# KiCad board output.Panel_R0.5.1_300x300_2layer_step1_Modified.kicad_pcb (continued)
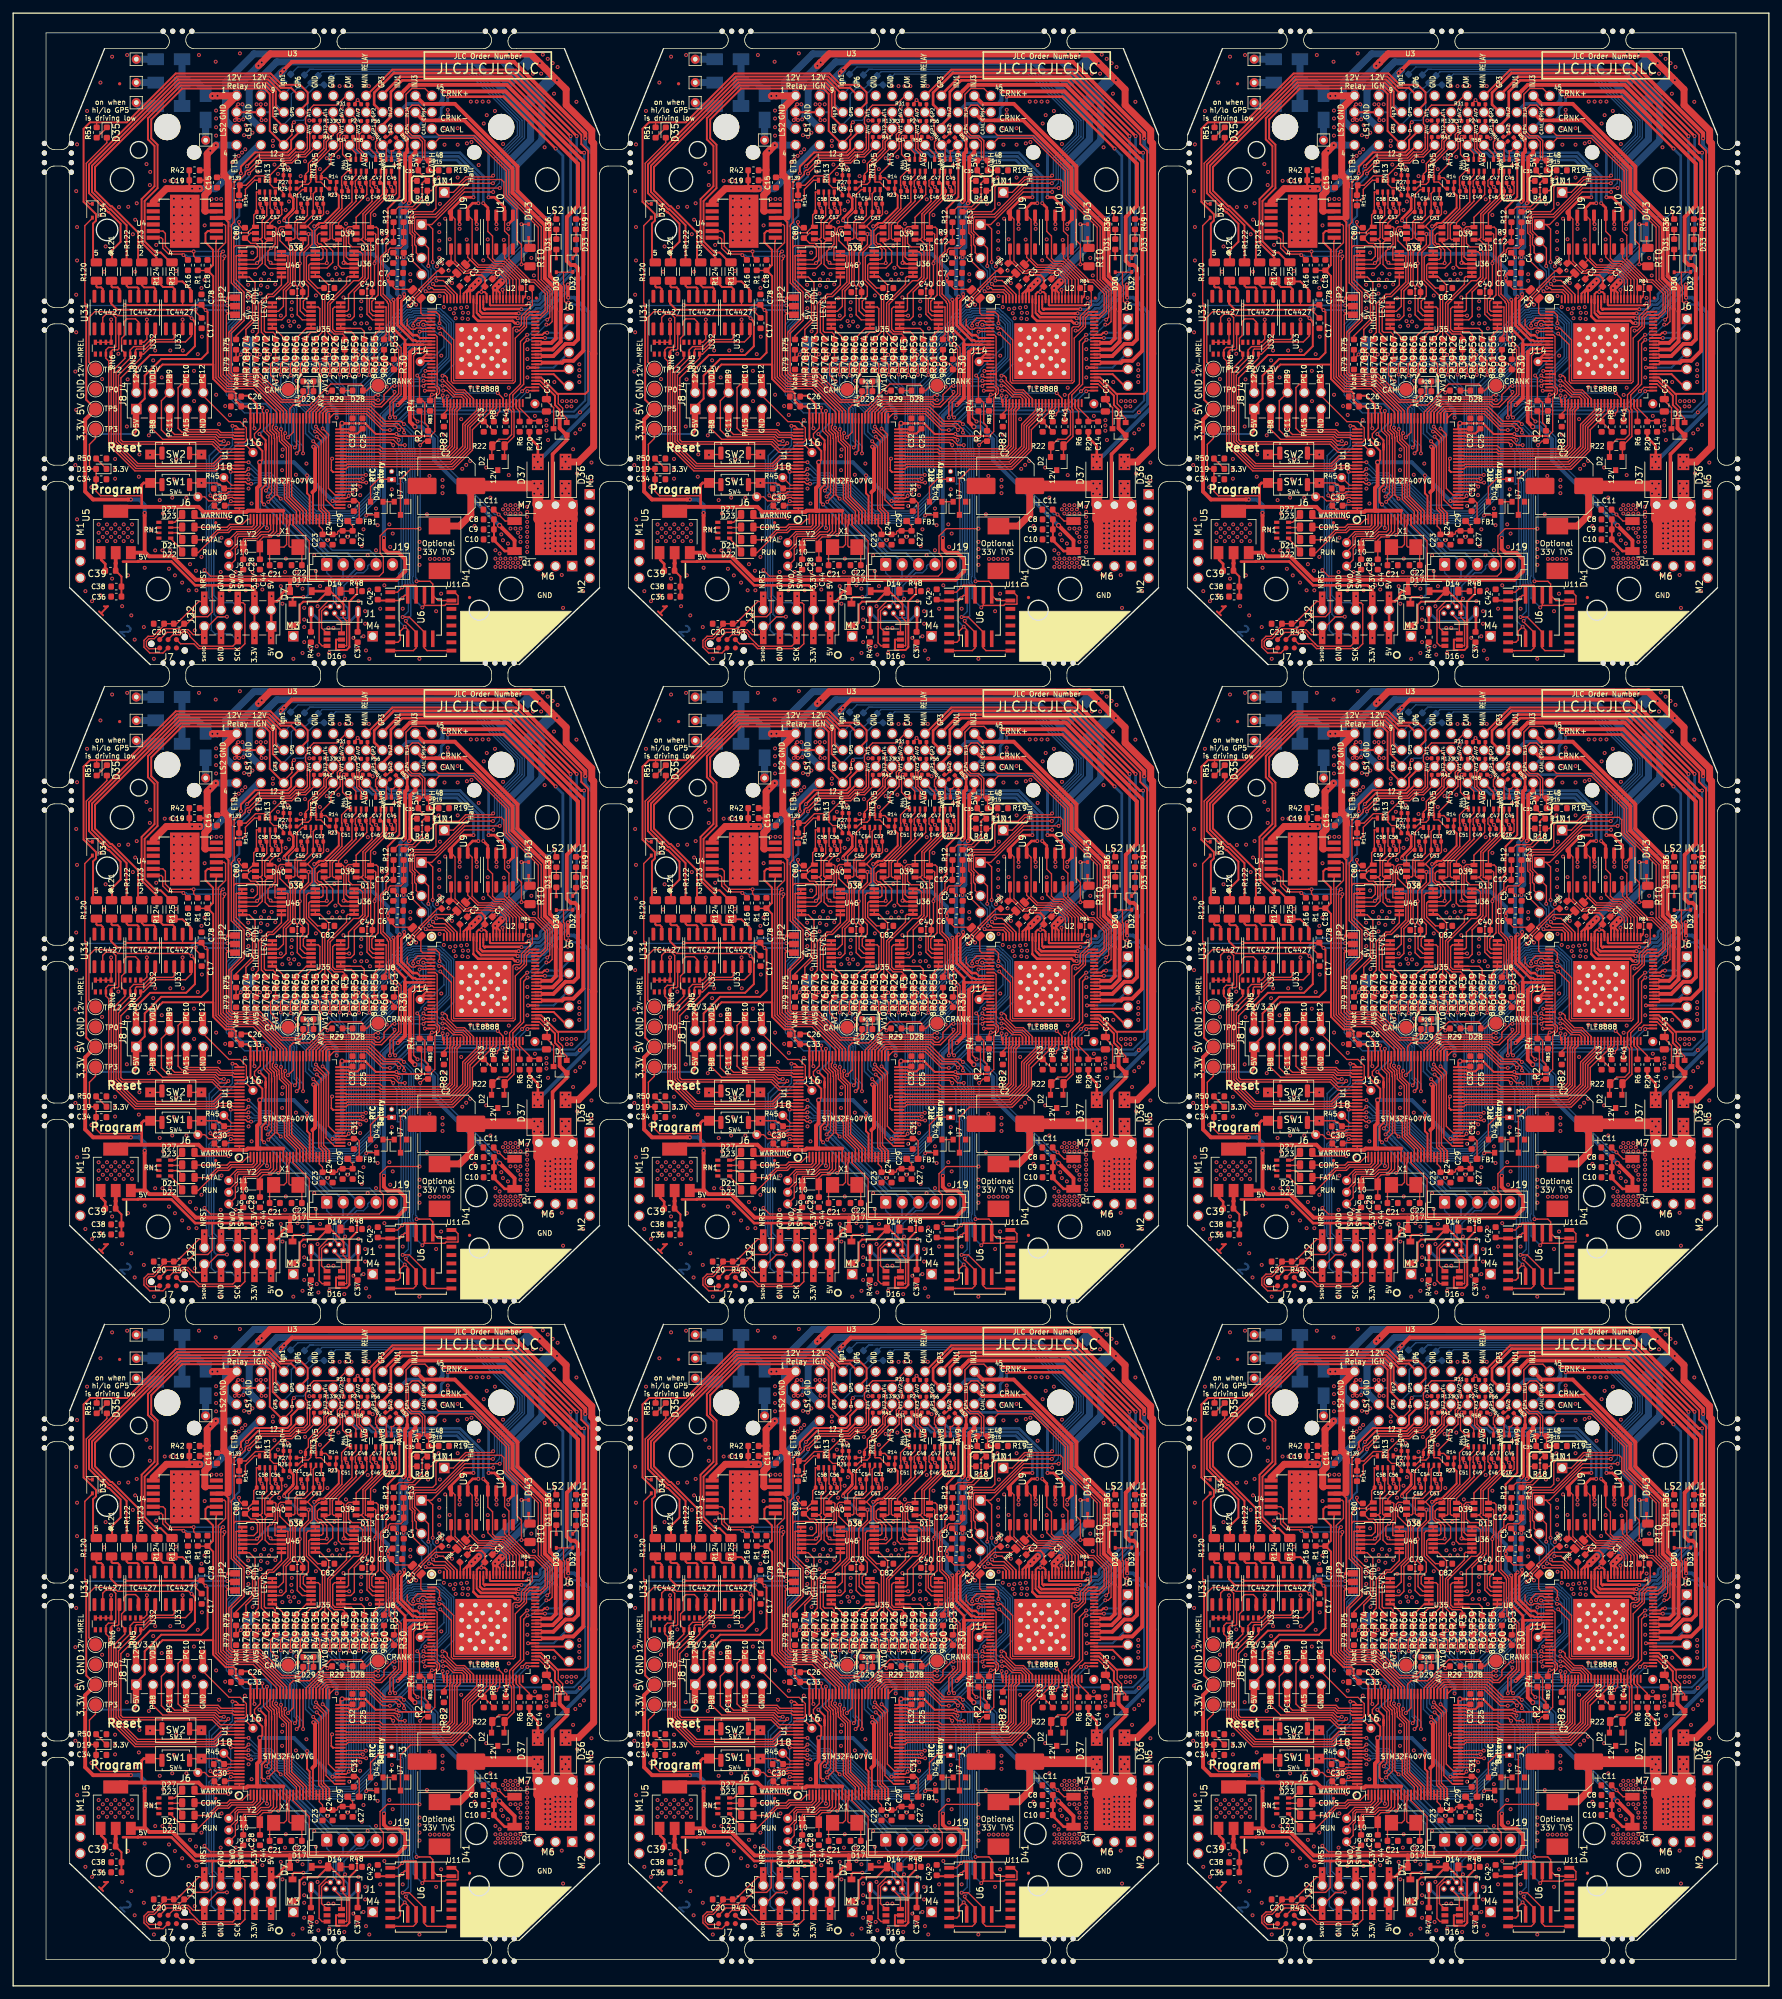
[diagram p0: board, top side]
## Routing (per net, layer and track width the routed paths; a pad name or vN(x,y) marks a point on that pad's centre or on a via; arc(x,y) is an arc through that point) (continued)
/TLE8888-1QK/VR-: length 510.2
  Top w0.203: R13#2.2 144.37,266.71 ; 143,250.12 144,249.12 144,244.58 ; 144.37,266.7 144.37,265.2 ; R13#3.2 229.37,266.71 ; 229,244.58 229,249.12 228,250.12 ; 229.37,266.7 229.37,265.2 ; R13#6.2 59.37,169.71 ; 58,153.12 59,152.12 59,147.58 ; 59.37,169.7 59.37,168.2 ; R13#4.2 144.37,169.71 ; 144,147.58 144,152.12 143,153.12 ; 144.37,169.7 144.37,168.2 ; R13#5.2 229.37,169.71 ; 229,147.58 229,152.12 228,153.12 ; 229.37,169.7 229.37,168.2 ; 229,50.58 229,55.12 228,56.12 ; R13#7.2 229.37,72.71 ; 229.37,72.7 229.37,71.2 ; R13#8.2 59.37,72.71 ; 58,56.12 59,55.12 59,50.58 ; 59.37,72.7 59.37,71.2 ; 144,50.58 144,55.12 143,56.12 ; R13#9.2 144.37,72.71 ; 144.37,72.7 144.37,71.2 ; 59,244.58 59,249.12 58,250.12 ; 59.37,266.7 59.37,265.2 ; R13.2 59.37,266.71
  Top w0.216: v1(163.2,242.5) 163.3,242.6 U2#2.51 ; C12#2.2 144.4,264.73 143.95,264.27 142.35,264.27 142.06,263.99 142.06,263.62 141.27,262.83 141.27,257.29 142.27,256.29 142.27,256.14 142.45,255.96 142.45,251.76 143,251.21 143,250.12 ; 144,244.58 144,242 142.8,240.8 142.8,238.8 v1(143.1,238.5) ; 229,244.58 229,242 227.8,240.8 227.8,238.8 v1(228.1,238.5) ; U2#3.51 248.3,242.6 v1(248.2,242.5) ; C12#3.2 229.4,264.73 228.95,264.27 227.35,264.27 227.06,263.99 227.06,263.62 226.27,262.83 226.27,257.29 227.27,256.29 227.27,256.14 227.45,255.96 227.45,251.76 228,251.21 228,250.12 ; v1(78.2,145.5) 78.3,145.6 U2#4.51 ; C12#6.2 59.4,167.72 58.95,167.27 57.35,167.27 57.06,166.99 57.06,166.62 56.27,165.83 56.27,160.29 57.27,159.29 57.27,159.14 57.45,158.96 57.45,154.76 58,154.21 58,153.12 ; 59,147.58 59,145 57.8,143.8 57.8,141.8 v1(58.1,141.5) ; 144,147.58 144,145 142.8,143.8 142.8,141.8 v1(143.1,141.5) ; U2#6.51 163.3,145.6 v1(163.2,145.5) ; C12#4.2 144.4,167.72 143.95,167.27 142.35,167.27 142.06,166.99 142.06,166.62 141.27,165.83 141.27,160.29 142.27,159.29 142.27,159.14 142.45,158.96 142.45,154.76 143,154.21 143,153.12 ; 229,147.58 229,145 227.8,143.8 227.8,141.8 v1(228.1,141.5) ; U2#5.51 248.3,145.6 v1(248.2,145.5) ; C12#5.2 229.4,167.72 228.95,167.27 227.35,167.27 227.06,166.99 227.06,166.62 226.27,165.83 226.27,160.29 227.27,159.29 227.27,159.14 227.45,158.96 227.45,154.76 228,154.21 228,153.12 ; 229,50.58 229,48 227.8,46.8 227.8,44.8 v1(228.1,44.5) ; 228,56.12 228,57.21 227.45,57.76 227.45,61.96 227.27,62.14 227.27,62.29 226.27,63.29 226.27,68.83 227.06,69.62 227.06,69.99 227.35,70.27 228.95,70.27 229.4,70.73 C12#7.2 ; U2#8.51 248.3,48.6 v1(248.2,48.5) ; 58,56.12 58,57.21 57.45,57.76 57.45,61.96 57.27,62.14 57.27,62.29 56.27,63.29 56.27,68.83 57.06,69.62 57.06,69.99 57.35,70.27 58.95,70.27 59.4,70.73 C12#8.2 ; 59,50.58 59,48 57.8,46.8 57.8,44.8 v1(58.1,44.5) ; v1(78.2,48.5) 78.3,48.6 U2#7.51 ; v1(143.1,44.5) 142.8,44.8 142.8,46.8 144,48 144,50.58 ; C12#9.2 144.4,70.73 143.95,70.27 142.35,70.27 142.06,69.99 142.06,69.62 141.27,68.83 141.27,63.29 142.27,62.29 142.27,62.14 142.45,61.96 142.45,57.76 143,57.21 143,56.12 ; U2#9.51 163.3,48.6 v1(163.2,48.5) ; v1(78.2,242.5) 78.3,242.6 U2.51 ; 58,250.12 58,251.21 57.45,251.76 57.45,255.96 57.27,256.14 57.27,256.29 56.27,257.29 56.27,262.83 57.06,263.62 57.06,263.99 57.35,264.27 58.95,264.27 59.4,264.73 C12.2 ; 59,244.58 59,242 57.8,240.8 57.8,238.8 v1(58.1,238.5)
  Bottom w0.216: v1(143.1,238.5) 144.71,240.11 160.81,240.11 v1(163.2,242.5) ; v1(228.1,238.5) 229.71,240.11 245.81,240.11 v1(248.2,242.5) ; v1(58.1,141.5) 59.71,143.11 75.81,143.11 v1(78.2,145.5) ; v1(143.1,141.5) 144.71,143.11 160.81,143.11 v1(163.2,145.5) ; v1(228.1,141.5) 229.71,143.11 245.81,143.11 v1(248.2,145.5) ; v1(228.1,44.5) 229.71,46.11 245.81,46.11 v1(248.2,48.5) ; v1(58.1,44.5) 59.71,46.11 75.81,46.11 v1(78.2,48.5) ; v1(143.1,44.5) 144.71,46.11 160.81,46.11 v1(163.2,48.5) ; v1(78.2,242.5) 75.81,240.11 59.71,240.11 v1(58.1,238.5)
/TLE8888-1QK/WAKE: length 25.9
  Top w0.216: 162.03,238.04 162.03,239.42 161.5,239.95 U2#2.48 ; 247.03,238.04 247.03,239.42 246.5,239.95 U2#3.48 ; 247.03,141.04 247.03,142.42 246.5,142.95 U2#5.48 ; 162.03,141.04 162.03,142.42 161.5,142.95 U2#6.48 ; 77.03,141.04 77.03,142.42 76.5,142.95 U2#4.48 ; 162.03,44.04 162.03,45.42 161.5,45.95 U2#9.48 ; 77.03,44.04 77.03,45.42 76.5,45.95 U2#7.48 ; 247.03,44.04 247.03,45.42 246.5,45.95 U2#8.48 ; U2.48 76.5,239.95 77.03,239.42 77.03,238.04
/TLE_OUT10_PRE: length 503.7
  Top w0.203: R30#2.1 143.05,247.53 v1(143.05,248.6) ; 159.74,264.12 159.74,262.78 163.43,259.09 164.19,259.09 165.92,257.36 165.92,255.66 165.9,255.64 165.9,254.8 165.2,254.1 U2#2.74 163.52,254.1 163.07,253.65 163.07,252.29 161.36,250.57 161.36,244 161.1,243.74 151.9,243.74 151.64,244 151.64,249.58 v1(149.96,251.26) ; v1(234.96,251.26) 236.64,249.58 236.64,244 236.9,243.74 246.1,243.74 246.36,244 246.36,250.57 248.07,252.29 248.07,253.65 248.52,254.1 U2#3.74 250.2,254.1 250.9,254.8 250.9,255.64 250.92,255.66 250.92,257.36 249.19,259.09 248.43,259.09 244.74,262.78 U10#3.3 ; v1(228.05,248.6) 228.05,247.53 R30#3.1 ; v1(149.96,154.26) 151.64,152.58 151.64,147 151.9,146.74 161.1,146.74 161.36,147 161.36,153.57 163.07,155.29 163.07,156.65 163.52,157.1 U2#6.74 165.2,157.1 165.9,157.8 165.9,158.64 165.92,158.66 165.92,160.36 164.19,162.09 163.43,162.09 159.74,165.78 159.74,167.12 ; v1(143.05,151.6) 143.05,150.53 R30#6.1 ; R30#4.1 58.05,150.53 v1(58.05,151.6) ; U10#4.3 74.73,165.78 78.43,162.09 79.19,162.09 80.92,160.36 80.92,158.66 80.9,158.64 80.9,157.8 80.2,157.1 U2#4.74 78.52,157.1 78.07,156.65 78.07,155.29 76.36,153.57 76.36,147 76.1,146.74 66.9,146.74 66.64,147 66.64,152.58 v1(64.96,154.26) ; v1(234.96,154.26) 236.64,152.58 236.64,147 236.9,146.74 246.1,146.74 246.36,147 246.36,153.57 248.07,155.29 248.07,156.65 248.52,157.1 U2#5.74 250.2,157.1 250.9,157.8 250.9,158.64 250.92,158.66 250.92,160.36 249.19,162.09 248.43,162.09 244.74,165.78 U10#5.3 ; v1(228.05,151.6) 228.05,150.53 R30#5.1 ; v1(149.96,57.26) 151.64,55.58 151.64,50 151.9,49.74 161.1,49.74 161.36,50 161.36,56.57 163.07,58.29 163.07,59.65 163.52,60.1 U2#9.74 165.2,60.1 165.9,60.8 165.9,61.64 165.92,61.66 165.92,63.36 164.19,65.09 163.43,65.09 159.74,68.78 159.74,70.12 ; v1(143.05,54.6) 143.05,53.53 R30#9.1 ; R30#7.1 58.05,53.53 v1(58.05,54.6) ; U10#7.3 74.73,68.78 78.43,65.09 79.19,65.09 80.92,63.36 80.92,61.66 80.9,61.64 80.9,60.8 80.2,60.1 U2#7.74 78.52,60.1 78.07,59.65 78.07,58.29 76.36,56.57 76.36,50 76.1,49.74 66.9,49.74 66.64,50 66.64,55.58 v1(64.96,57.26) ; v1(234.96,57.26) 236.64,55.58 236.64,50 236.9,49.74 246.1,49.74 246.36,50 246.36,56.57 248.07,58.29 248.07,59.65 248.52,60.1 U2#8.74 250.2,60.1 250.9,60.8 250.9,61.64 250.92,61.66 250.92,63.36 249.19,65.09 248.43,65.09 244.74,68.78 U10#8.3 ; v1(228.05,54.6) 228.05,53.53 R30#8.1 ; v1(64.96,251.26) 66.64,249.58 66.64,244 66.9,243.74 76.1,243.74 76.36,244 76.36,250.57 78.07,252.29 78.07,253.65 78.52,254.1 U2.74 80.2,254.1 80.9,254.8 80.9,255.64 80.92,255.66 80.92,257.36 79.19,259.09 78.43,259.09 74.73,262.78 U10.3 ; v1(58.05,248.6) 58.05,247.53 R30.1
  Bottom w0.203: v1(143.05,248.6) 145.19,250.74 145.19,252.64 145.59,253.04 146.17,253.04 146.4,253.26 147.53,253.26 149.53,251.26 v1(149.96,251.26) ; v1(228.05,248.6) 230.19,250.74 230.19,252.64 230.59,253.04 231.17,253.04 231.4,253.26 232.53,253.26 234.53,251.26 v1(234.96,251.26) ; v1(143.05,151.6) 145.19,153.74 145.19,155.64 145.59,156.04 146.17,156.04 146.4,156.26 147.53,156.26 149.53,154.26 v1(149.96,154.26) ; v1(58.05,151.6) 60.19,153.74 60.19,155.64 60.59,156.04 61.17,156.04 61.4,156.26 62.53,156.26 64.53,154.26 v1(64.96,154.26) ; v1(228.05,151.6) 230.19,153.74 230.19,155.64 230.59,156.04 231.17,156.04 231.4,156.26 232.53,156.26 234.53,154.26 v1(234.96,154.26) ; v1(143.05,54.6) 145.19,56.74 145.19,58.64 145.59,59.04 146.17,59.04 146.4,59.26 147.53,59.26 149.53,57.26 v1(149.96,57.26) ; v1(58.05,54.6) 60.19,56.74 60.19,58.64 60.59,59.04 61.17,59.04 61.4,59.26 62.53,59.26 64.53,57.26 v1(64.96,57.26) ; v1(228.05,54.6) 230.19,56.74 230.19,58.64 230.59,59.04 231.17,59.04 231.4,59.26 232.53,59.26 234.53,57.26 v1(234.96,57.26) ; v1(58.05,248.6) 60.19,250.74 60.19,252.64 60.59,253.04 61.17,253.04 61.4,253.26 62.53,253.26 64.53,251.26 v1(64.96,251.26)
/TLE_OUT11_PRE: length 106.4
  Top w0.203: U10#2.1 157.19,262.91 158.21,261.9 159.59,261.9 162,259.49 ; R84#2.1 162.26,258.45 162,258.71 162,259.49 ; 162,259.49 U2#2.77 ; U10#3.1 242.19,262.91 243.21,261.9 244.59,261.9 247,259.49 ; U2#3.77 247,259.49 ; 247,259.49 247,258.71 247.26,258.45 R84#3.1 ; U10#6.1 157.19,165.91 158.21,164.9 159.59,164.9 162,162.49 ; U2#6.77 162,162.49 ; 162,162.49 162,161.71 162.26,161.45 R84#6.1 ; U10#4.1 72.19,165.91 73.21,164.9 74.59,164.9 77,162.49 ; R84#4.1 77.26,161.45 77,161.71 77,162.49 ; 77,162.49 U2#4.77 ; U2#5.77 247,162.49 ; 247,162.49 244.59,164.9 243.21,164.9 242.19,165.91 U10#5.1 ; 247,162.49 247,161.71 247.26,161.45 R84#5.1 ; U2#9.77 162,65.49 ; 162,65.49 159.59,67.9 158.21,67.9 157.19,68.91 U10#9.1 ; 162,65.49 162,64.71 162.26,64.45 R84#9.1 ; 77,65.49 77,64.71 77.26,64.45 R84#8.1 ; 77,65.49 U2#7.77 ; 77,65.49 74.59,67.9 73.21,67.9 72.19,68.91 U10#7.1 ; U2#8.77 247,65.49 ; 247,65.49 244.59,67.9 243.21,67.9 242.19,68.91 U10#8.1 ; 247,65.49 247,64.71 247.26,64.45 R84#7.1 ; 77,259.49 74.59,261.9 73.21,261.9 72.19,262.91 U10.1 ; 77,259.49 77,258.71 77.26,258.45 R84.1 ; 77,259.49 U2.77
/TLE_OUT12_PRE: length 136
  Top w0.203: U9#2.3 154.13,262.86 155.65,261.34 ; 155.65,261.34 154.53,262.46 154.48,262.46 R86.1 ; 155.65,261.34 157.76,261.34 157.91,261.19 159.29,261.19 161,259.48 U2#2.79 ; U9#3.3 239.13,262.86 240.65,261.34 ; 240.65,261.34 242.76,261.34 242.91,261.19 244.29,261.19 246,259.48 U2#3.79 ; 240.65,261.34 239.53,262.46 239.48,262.46 R86#2.1 ; U9#6.3 154.13,165.86 155.65,164.34 ; 155.65,164.34 157.76,164.34 157.91,164.19 159.29,164.19 161,162.48 U2#6.79 ; 155.65,164.34 154.53,165.46 154.48,165.46 R86#5.1 ; U9#4.3 69.14,165.86 70.65,164.34 ; 70.65,164.34 69.53,165.46 69.48,165.46 R86#3.1 ; 70.65,164.34 72.76,164.34 72.91,164.19 74.29,164.19 76,162.48 U2#4.79 ; U9#5.3 239.13,165.86 240.65,164.34 ; 240.65,164.34 239.53,165.46 239.48,165.46 R86#4.1 ; 240.65,164.34 242.76,164.34 242.91,164.19 244.29,164.19 246,162.48 U2#5.79 ; 155.65,67.34 154.13,68.86 U9#9.3 ; 155.65,67.34 157.76,67.34 157.91,67.19 159.29,67.19 161,65.48 U2#9.79 ; 155.65,67.34 154.53,68.46 154.48,68.46 R86#8.1 ; 70.65,67.34 69.14,68.86 U9#7.3 ; 70.65,67.34 72.76,67.34 72.91,67.19 74.29,67.19 76,65.48 U2#7.79 ; 70.65,67.34 69.53,68.46 69.48,68.46 R86#7.1 ; U9#8.3 239.13,68.86 240.65,67.34 ; 240.65,67.34 239.53,68.46 239.48,68.46 R86#6.1 ; 240.65,67.34 242.76,67.34 242.91,67.19 244.29,67.19 246,65.48 U2#8.79 ; 70.65,261.34 72.76,261.34 72.91,261.19 74.29,261.19 76,259.48 U2.79 ; 70.65,261.34 69.53,262.46 69.48,262.46 R86#9.1 ; 70.65,261.34 69.14,262.86 U9.3
/TLE_OUT13_PRE: length 153.4
  Top w0.203: U2#2.81 160,259.48 159,260.48 157.62,260.48 157.5,260.6 154.47,260.6 154.3,260.43 153.57,260.43 151.59,262.41 U9#2.1 ; U2#3.81 245,259.48 244,260.48 242.62,260.48 242.5,260.6 239.47,260.6 239.3,260.43 238.57,260.43 236.6,262.41 U9#3.1 ; U2#6.81 160,162.48 159,163.48 157.62,163.48 157.5,163.6 154.47,163.6 154.3,163.43 153.57,163.43 151.59,165.41 U9#6.1 ; U2#4.81 75,162.48 74,163.48 72.62,163.48 72.5,163.6 69.47,163.6 69.3,163.43 68.57,163.43 66.59,165.41 U9#4.1 ; U2#5.81 245,162.48 244,163.48 242.62,163.48 242.5,163.6 239.47,163.6 239.3,163.43 238.57,163.43 236.6,165.41 U9#5.1 ; U2#9.81 160,65.48 159,66.48 157.62,66.48 157.5,66.6 154.47,66.6 154.3,66.43 153.57,66.43 151.59,68.41 U9#9.1 ; U2#7.81 75,65.48 74,66.48 72.62,66.48 72.5,66.6 69.47,66.6 69.3,66.43 68.57,66.43 66.59,68.41 U9#7.1 ; U2#8.81 245,65.48 244,66.48 242.62,66.48 242.5,66.6 239.47,66.6 239.3,66.43 238.57,66.43 236.6,68.41 U9#8.1 ; U2.81 75,259.48 74,260.48 72.62,260.48 72.5,260.6 69.47,260.6 69.3,260.43 68.57,260.43 66.59,262.41 U9.1
  Top w0.216: R85#2.1 152.07,261.93 152.37,261.63 ; R85#2.1 151.49,262.14 151.86,262.14 151.93,262.07 ; R85#2.1 151.59,262.25 151.59,262.41 ; R85#3.1 237.07,261.93 237.37,261.63 ; R85#3.1 236.49,262.14 236.86,262.14 236.93,262.07 ; R85#3.1 236.6,262.25 236.6,262.41 ; R85#6.1 152.07,164.93 152.37,164.63 ; R85#6.1 151.49,165.14 151.86,165.14 151.93,165.07 ; R85#6.1 151.59,165.25 151.59,165.41 ; R85#4.1 67.07,164.93 67.37,164.63 ; R85#4.1 66.49,165.14 66.86,165.14 66.93,165.07 ; R85#4.1 66.59,165.25 66.59,165.41 ; R85#5.1 236.49,165.14 236.86,165.14 236.93,165.07 ; R85#5.1 237.07,164.93 237.37,164.63 ; R85#5.1 236.6,165.25 236.6,165.41 ; R85#9.1 151.59,68.25 151.59,68.41 ; R85#9.1 152.07,67.93 152.37,67.63 ; R85#9.1 151.49,68.14 151.86,68.14 151.93,68.07 ; 66.59,68.41 66.59,68.25 R85#8.1 ; 67.37,67.63 67.07,67.93 R85#8.1 ; R85#8.1 66.49,68.14 66.86,68.14 66.93,68.07 ; R85#7.1 237.07,67.93 237.37,67.63 ; R85#7.1 236.49,68.14 236.86,68.14 236.93,68.07 ; R85#7.1 236.6,68.25 236.6,68.41 ; 67.37,261.63 67.07,261.93 R85.1 ; R85.1 66.49,262.14 66.86,262.14 66.93,262.07 ; R85.1 66.59,262.25 66.59,262.41
/USB_D+: length 899.9
  Top w0.203: v1(122.9,240) 122.9,239.38 123.09,239.19 U1#2.71 123.09,236.49 123.9,235.67 123.9,227.9 123.44,227.44 v1(123.44,227.39) ; v1(208.44,227.39) 208.44,227.44 208.9,227.9 208.9,235.67 208.09,236.49 U1#3.71 208.09,239.19 207.9,239.38 v1(207.9,240) ; v1(207.9,143) 207.9,142.38 208.09,142.19 U1#5.71 208.09,139.49 208.9,138.67 208.9,130.9 208.44,130.44 v1(208.44,130.39) ; v1(37.9,143) 37.9,142.38 38.09,142.19 U1#4.71 38.09,139.49 38.9,138.67 38.9,130.9 38.44,130.44 v1(38.44,130.39) ; v1(123.44,130.39) 123.44,130.44 123.9,130.9 123.9,138.67 123.09,139.49 U1#6.71 123.09,142.19 122.9,142.38 v1(122.9,143) ; v1(38.44,33.39) 38.44,33.44 38.9,33.9 38.9,41.67 38.09,42.49 U1#7.71 38.09,45.19 37.9,45.38 v1(37.9,46) ; v1(123.44,33.39) 123.44,33.44 123.9,33.9 123.9,41.67 123.09,42.49 U1#9.71 123.09,45.19 122.9,45.38 v1(122.9,46) ; v1(208.44,33.39) 208.44,33.44 208.9,33.9 208.9,41.67 208.09,42.49 U1#8.71 208.09,45.19 207.9,45.38 v1(207.9,46) ; v1(37.9,240) 37.9,239.38 38.09,239.19 U1.71 38.09,236.49 38.9,235.67 38.9,227.9 38.44,227.44 v1(38.44,227.39)
  Top w0.216: D16#2.6 134.93,207.44 133.88,208.5 J1#2.3 ; D16#3.6 219.93,207.44 218.88,208.5 J1#3.3 ; D16#4.6 219.93,110.44 218.88,111.5 J1#5.3 ; D16#6.6 49.93,110.44 48.88,111.5 J1#4.3 ; D16#5.6 134.93,110.44 133.88,111.5 J1#6.3 ; J1#7.3 48.88,14.5 49.93,13.44 D16#9.6 ; J1#9.3 133.88,14.5 134.93,13.44 D16#8.6 ; D16#7.6 219.93,13.44 218.88,14.5 J1#8.3 ; J1.3 48.88,208.5 49.93,207.44 D16.6
  Top w0.305: v1(120.57,276.71) 122.22,278.37 126.89,278.37 128.45,279.93 128.68,279.93 ; v1(205.57,276.71) 207.22,278.37 211.89,278.37 213.45,279.93 213.68,279.93 ; v1(205.57,179.71) 207.22,181.37 211.89,181.37 213.45,182.93 213.68,182.93 ; v1(35.57,179.71) 37.22,181.37 41.89,181.37 43.45,182.93 43.68,182.93 ; v1(120.57,179.71) 122.22,181.37 126.89,181.37 128.45,182.93 128.68,182.93 ; v1(35.57,82.71) 37.22,84.37 41.89,84.37 43.45,85.93 43.68,85.93 ; v1(120.57,82.71) 122.22,84.37 126.89,84.37 128.45,85.93 128.68,85.93 ; v1(205.57,82.71) 207.22,84.37 211.89,84.37 213.45,85.93 213.68,85.93 ; v1(35.57,276.71) 37.22,278.37 41.89,278.37 43.45,279.93 43.68,279.93
  Bottom w0.203: v1(120.57,276.71) 120.27,276.41 120.27,275.27 118.34,273.35 118.34,267.77 118.96,267.16 118.96,253.53 117.79,252.37 117.79,242.11 118.8,241.1 ; 118.85,241.05 119.8,240.1 122.8,240.1 v1(122.9,240) ; 203.85,241.05 204.8,240.1 207.8,240.1 v1(207.9,240) ; v1(205.57,276.71) 205.27,276.41 205.27,275.27 203.34,273.35 203.34,267.77 203.96,267.16 203.96,253.53 202.79,252.37 202.79,242.11 203.8,241.1 ; 203.85,144.05 204.8,143.1 207.8,143.1 v1(207.9,143) ; v1(205.57,179.71) 205.27,179.41 205.27,178.27 203.34,176.35 203.34,170.77 203.96,170.16 203.96,156.53 202.79,155.37 202.79,145.11 203.8,144.1 ; v1(35.57,179.71) 35.27,179.41 35.27,178.27 33.34,176.35 33.34,170.77 33.96,170.16 33.96,156.53 32.79,155.37 32.79,145.11 33.8,144.1 ; 33.85,144.05 34.8,143.1 37.8,143.1 v1(37.9,143) ; 118.85,144.05 119.8,143.1 122.8,143.1 v1(122.9,143) ; v1(120.57,179.71) 120.27,179.41 120.27,178.27 118.34,176.35 118.34,170.77 118.96,170.16 118.96,156.53 117.79,155.37 117.79,145.11 118.8,144.1 ; v1(35.57,82.71) 35.27,82.41 35.27,81.27 33.34,79.35 33.34,73.77 33.96,73.16 33.96,59.53 32.79,58.37 32.79,48.11 33.8,47.1 ; 33.85,47.05 34.8,46.1 37.8,46.1 v1(37.9,46) ; 118.85,47.05 119.8,46.1 122.8,46.1 v1(122.9,46) ; v1(120.57,82.71) 120.27,82.41 120.27,81.27 118.34,79.35 118.34,73.77 118.96,73.16 118.96,59.53 117.79,58.37 117.79,48.11 118.8,47.1 ; 203.8,47.1 202.79,48.11 202.79,58.37 203.96,59.53 203.96,73.16 203.34,73.77 203.34,79.35 205.27,81.27 205.27,82.41 v1(205.57,82.71) ; v1(207.9,46) 207.8,46.1 204.8,46.1 203.85,47.05 ; v1(35.57,276.71) 35.27,276.41 35.27,275.27 33.34,273.35 33.34,267.77 33.96,267.16 33.96,253.53 32.79,252.37 32.79,242.11 33.8,241.1 ; 33.85,241.05 34.8,240.1 37.8,240.1 v1(37.9,240)
  Bottom w0.305: J1#2.3 134.6,208.02 135.84,208.02 135.9,208.08 135.9,209.52 134.58,210.85 134.58,212.92 137.69,216.04 J19#2.3 137.52,216.16 135.77,217.91 133.06,217.91 125.09,225.88 125.09,225.96 123.95,227.09 123.74,227.09 v1(123.44,227.39) ; 128.36,279.42 128.36,279.87 ; J1#3.3 219.6,208.02 220.84,208.02 220.9,208.08 220.9,209.52 219.58,210.85 219.58,212.92 222.69,216.04 J19#3.3 222.52,216.16 220.77,217.91 218.06,217.91 210.09,225.88 210.09,225.96 208.95,227.09 208.74,227.09 v1(208.44,227.39) ; 213.36,279.42 213.36,279.87 ; 213.36,182.42 213.36,182.87 ; J1#5.3 219.6,111.02 220.84,111.02 220.9,111.08 220.9,112.52 219.58,113.85 219.58,115.92 222.69,119.04 J19#5.3 222.52,119.16 220.77,120.91 218.06,120.91 210.09,128.88 210.09,128.96 208.95,130.09 208.74,130.09 v1(208.44,130.39) ; J1#4.3 49.6,111.02 50.84,111.02 50.9,111.08 50.9,112.52 49.58,113.85 49.58,115.92 52.69,119.04 J19#4.3 52.52,119.16 50.77,120.91 48.06,120.91 40.09,128.88 40.09,128.96 38.95,130.09 38.74,130.09 v1(38.44,130.39) ; 43.36,182.42 43.36,182.87 ; J1#6.3 134.6,111.02 135.84,111.02 135.9,111.08 135.9,112.52 134.58,113.85 134.58,115.92 137.69,119.04 J19#6.3 137.52,119.16 135.77,120.91 133.06,120.91 125.09,128.88 125.09,128.96 123.95,130.09 123.74,130.09 v1(123.44,130.39) ; 128.36,182.42 128.36,182.87 ; J1#7.3 49.6,14.02 50.84,14.02 50.9,14.08 50.9,15.52 49.58,16.85 49.58,18.92 52.69,22.04 J19#7.3 52.52,22.16 50.77,23.91 48.06,23.91 40.09,31.88 40.09,31.96 38.95,33.09 38.74,33.09 v1(38.44,33.39) ; 43.36,85.42 43.36,85.87 ; 128.36,85.42 128.36,85.87 ; J1#9.3 134.6,14.02 135.84,14.02 135.9,14.08 135.9,15.52 134.58,16.85 134.58,18.92 137.69,22.04 J19#9.3 137.52,22.16 135.77,23.91 133.06,23.91 125.09,31.88 125.09,31.96 123.95,33.09 123.74,33.09 v1(123.44,33.39) ; J1#8.3 219.6,14.02 220.84,14.02 220.9,14.08 220.9,15.52 219.58,16.85 219.58,18.92 222.69,22.04 J19#8.3 222.52,22.16 220.77,23.91 218.06,23.91 210.09,31.88 210.09,31.96 208.95,33.09 208.74,33.09 v1(208.44,33.39) ; 213.36,85.42 213.36,85.87 ; 43.36,279.42 43.36,279.87 ; v1(38.44,227.39) 38.74,227.09 38.95,227.09 40.09,225.96 40.09,225.88 48.06,217.91 50.77,217.91 52.52,216.16 J19.3 52.69,216.04 49.58,212.92 49.58,210.85 50.9,209.52 50.9,208.08 50.84,208.02 49.6,208.02 J1.3
/USB_D-: length 927.3
  Top w0.203: 124.3,235 124.3,235.78 123.59,236.49 U1#2.70 123.59,239.49 v1(123.6,239.5) ; 124.3,235 124.3,234.4 ; 124.3,235 124.3,227.08 v1(123.71,226.48) ; 209.3,235 209.3,235.78 208.59,236.49 U1#3.70 208.59,239.49 v1(208.6,239.5) ; 209.3,235 209.3,234.4 ; 209.3,235 209.3,227.08 v1(208.71,226.48) ; 209.3,138 209.3,137.4 ; 209.3,138 209.3,138.78 208.59,139.49 U1#5.70 208.59,142.49 v1(208.6,142.5) ; 209.3,138 209.3,130.08 v1(208.71,129.48) ; 39.3,138 39.3,138.78 38.59,139.49 U1#4.70 38.59,142.49 v1(38.6,142.5) ; 39.3,138 39.3,137.4 ; 39.3,138 39.3,130.08 v1(38.71,129.48) ; 124.3,138 124.3,138.78 123.59,139.49 U1#6.70 123.59,142.49 v1(123.6,142.5) ; 124.3,138 124.3,137.4 ; 124.3,138 124.3,130.08 v1(123.71,129.48) ; 39.3,41 39.3,41.78 38.59,42.49 U1#7.70 38.59,45.49 v1(38.6,45.5) ; 39.3,41 39.3,40.4 ; 39.3,41 39.3,33.08 v1(38.71,32.48) ; 124.3,41 124.3,40.4 ; 124.3,41 124.3,41.78 123.59,42.49 U1#9.70 123.59,45.49 v1(123.6,45.5) ; 124.3,41 124.3,33.08 v1(123.71,32.48) ; 209.3,41 209.3,40.4 ; 209.3,41 209.3,41.78 208.59,42.49 U1#8.70 208.59,45.49 v1(208.6,45.5) ; 209.3,41 209.3,33.08 v1(208.71,32.48) ; v1(38.6,239.5) 38.59,239.49 U1.70 38.59,236.49 39.3,235.78 39.3,235 ; 39.3,235 39.3,227.08 v1(38.71,226.48) ; 39.3,235 39.3,234.4
  Top w0.216: J1#2.2 133.7,210.57 132.88,210.57 131.53,209.22 131.53,204.24 131.99,203.78 D16#2.3 ; J1#3.2 218.7,210.57 217.88,210.57 216.53,209.22 216.53,204.24 216.99,203.78 D16#3.3 ; J1#5.2 218.7,113.57 217.88,113.57 216.53,112.22 216.53,107.24 216.99,106.78 D16#4.3 ; J1#4.2 48.7,113.57 47.88,113.57 46.53,112.22 46.53,107.24 46.99,106.78 D16#6.3 ; J1#6.2 133.7,113.57 132.88,113.57 131.53,112.22 131.53,107.24 131.99,106.78 D16#5.3 ; J1#7.2 48.7,16.57 47.88,16.57 46.53,15.22 46.53,10.24 46.99,9.78 D16#9.3 ; D16#8.3 131.99,9.78 131.53,10.24 131.53,15.22 132.88,16.57 133.7,16.57 J1#9.2 ; D16#7.3 216.99,9.78 216.53,10.24 216.53,15.22 217.88,16.57 218.7,16.57 J1#8.2 ; D16.3 46.99,203.78 46.53,204.24 46.53,209.22 47.88,210.57 48.7,210.57 J1.2
  Top w0.305: 128.68,282.09 127.28,280.68 127.28,279.4 126.7,278.83 121.8,278.83 119.63,276.66 v1(119.63,275.65) ; v1(204.63,275.65) 204.63,276.66 206.8,278.83 211.7,278.83 212.28,279.4 212.28,280.68 213.68,282.09 ; v1(204.63,178.65) 204.63,179.66 206.8,181.83 211.7,181.83 212.28,182.4 212.28,183.68 213.68,185.09 ; 43.68,185.09 42.28,183.68 42.28,182.4 41.7,181.83 36.8,181.83 34.63,179.66 v1(34.63,178.65) ; v1(119.63,178.65) 119.63,179.66 121.8,181.83 126.7,181.83 127.28,182.4 127.28,183.68 128.68,185.09 ; 43.68,88.09 42.28,86.68 42.28,85.4 41.7,84.83 36.8,84.83 34.63,82.66 v1(34.63,81.65) ; v1(119.63,81.65) 119.63,82.66 121.8,84.83 126.7,84.83 127.28,85.4 127.28,86.68 128.68,88.09 ; v1(204.63,81.65) 204.63,82.66 206.8,84.83 211.7,84.83 212.28,85.4 212.28,86.68 213.68,88.09 ; v1(34.63,275.65) 34.63,276.66 36.8,278.83 41.7,278.83 42.28,279.4 42.28,280.68 43.68,282.09
  Bottom w0.203: v1(123.6,239.5) 123.3,239.2 120.2,239.2 117.44,241.96 117.44,252.64 118.6,253.8 118.6,267.01 117.99,267.63 117.99,274.01 v1(119.63,275.65) ; v1(208.6,239.5) 208.3,239.2 205.2,239.2 202.44,241.96 202.44,252.64 203.6,253.8 203.6,267.01 202.99,267.63 202.99,274.01 v1(204.63,275.65) ; v1(208.6,142.5) 208.3,142.2 205.2,142.2 202.44,144.96 202.44,155.64 203.6,156.8 203.6,170.01 202.99,170.63 202.99,177.01 v1(204.63,178.65) ; v1(38.6,142.5) 38.3,142.2 35.2,142.2 32.44,144.96 32.44,155.64 33.6,156.8 33.6,170.01 32.99,170.63 32.99,177.01 v1(34.63,178.65) ; v1(123.6,142.5) 123.3,142.2 120.2,142.2 117.44,144.96 117.44,155.64 118.6,156.8 118.6,170.01 117.99,170.63 117.99,177.01 v1(119.63,178.65) ; v1(38.6,45.5) 38.3,45.2 35.2,45.2 32.44,47.96 32.44,58.64 33.6,59.8 33.6,73.01 32.99,73.63 32.99,80.01 v1(34.63,81.65) ; v1(119.63,81.65) 117.99,80.01 117.99,73.63 118.6,73.01 118.6,59.8 117.44,58.64 117.44,47.96 120.2,45.2 123.3,45.2 v1(123.6,45.5) ; v1(208.6,45.5) 208.3,45.2 205.2,45.2 202.44,47.96 202.44,58.64 203.6,59.8 203.6,73.01 202.99,73.63 202.99,80.01 v1(204.63,81.65) ; v1(34.63,275.65) 32.99,274.01 32.99,267.63 33.6,267.01 33.6,253.8 32.44,252.64 32.44,241.96 35.2,239.2 38.3,239.2 v1(38.6,239.5)
  Bottom w0.305: J1#2.2 134.12,210.16 134.12,213.15 135.19,214.22 J19#2.2 135.19,216.46 134.2,217.44 132.88,217.44 124.63,225.69 124.63,225.75 123.89,226.48 v1(123.71,226.48) ; J1#3.2 219.12,210.16 219.12,213.15 220.19,214.22 J19#3.2 220.19,216.46 219.2,217.44 217.88,217.44 209.63,225.69 209.63,225.75 208.89,226.48 v1(208.71,226.48) ; J1#5.2 219.12,113.16 219.12,116.15 220.19,117.22 J19#5.2 220.19,119.46 219.2,120.44 217.88,120.44 209.63,128.69 209.63,128.75 208.89,129.48 v1(208.71,129.48) ; J1#4.2 49.12,113.16 49.12,116.15 50.19,117.22 J19#4.2 50.19,119.46 49.2,120.44 47.88,120.44 39.63,128.69 39.63,128.75 38.89,129.48 v1(38.71,129.48) ; J1#6.2 134.12,113.16 134.12,116.15 135.19,117.22 J19#6.2 135.19,119.46 134.2,120.44 132.88,120.44 124.63,128.69 124.63,128.75 123.89,129.48 v1(123.71,129.48) ; J1#7.2 49.12,16.16 49.12,19.15 50.19,20.22 J19#7.2 50.19,22.46 49.2,23.44 47.88,23.44 39.63,31.69 39.63,31.75 38.89,32.48 v1(38.71,32.48) ; J1#9.2 134.12,16.16 134.12,19.15 135.19,20.22 J19#9.2 135.19,22.46 134.2,23.44 132.88,23.44 124.63,31.69 124.63,31.75 123.89,32.48 v1(123.71,32.48) ; J1#8.2 219.12,16.16 219.12,19.15 220.19,20.22 J19#8.2 220.19,22.46 219.2,23.44 217.88,23.44 209.63,31.69 209.63,31.75 208.89,32.48 v1(208.71,32.48) ; v1(38.71,226.48) 38.89,226.48 39.63,225.75 39.63,225.69 47.88,217.44 49.2,217.44 50.19,216.46 J19.2 50.19,214.22 49.12,213.15 49.12,210.16 J1.2
Net-(C3-Pad2): length 17.7
  Top w0.203: U2#2.95 153,258.39 C3.2 ; U2#3.95 238,258.39 C3#2.2 ; U2#5.95 238,161.39 C3#4.2 ; U2#6.95 153,161.39 C3#3.2 ; U2#4.95 68,161.39 C3#5.2 ; C3#7.2 153,64.39 U2#9.95 ; U2#7.95 68,64.39 C3#8.2 ; U2#8.95 238,64.39 C3#6.2 ; U2.95 68,258.39 C3#9.2
Net-(C16-Pad1): length 235.7
  Top w0.203: 143.08,274.2 143.08,274.73 142.53,275.29 RN2#2.8 ; C16#3.1 228.08,274.73 227.53,275.29 RN2#3.8 ; C16#4.1 58.08,177.73 57.53,178.29 RN2#4.8 ; 143.08,177.2 143.08,177.73 142.53,178.29 RN2#6.8 ; C16#5.1 228.08,177.73 227.53,178.29 RN2#5.8 ; C16#8.1 58.08,80.73 57.53,81.29 RN2#7.8 ; C16#7.1 228.08,80.73 227.53,81.29 RN2#8.8 ; RN2#9.8 142.53,81.29 143.08,80.73 143.08,80.2 ; RN2.8 57.53,275.29 58.08,274.73 C16.1
  Top w0.216: U8#2.5 139.78,254.66 139.54,254.89 139.54,256.17 140.51,257.14 140.51,267.19 140.25,267.45 D13#2.6 139.35,269.56 142.14,272.35 143.02,272.35 143.26,272.59 143.26,273.71 143.08,273.88 143.08,274.2 ; C16#3.1 228.08,273.88 228.26,273.71 228.26,272.59 228.02,272.35 227.14,272.35 224.35,269.56 D13#3.6 225.25,267.45 225.51,267.19 225.51,257.14 224.54,256.17 224.54,254.89 224.78,254.66 U8#3.5 ; U8#6.5 54.78,157.66 54.54,157.89 54.54,159.17 55.51,160.14 55.51,170.19 55.25,170.45 D13#4.6 54.35,172.56 57.14,175.35 58.02,175.35 58.26,175.59 58.26,176.71 58.08,176.88 C16#4.1 ; 143.08,177.2 143.08,176.88 143.26,176.71 143.26,175.59 143.02,175.35 142.14,175.35 139.35,172.56 D13#6.6 140.25,170.45 140.51,170.19 140.51,160.14 139.54,159.17 139.54,157.89 139.78,157.66 U8#5.5 ; C16#5.1 228.08,176.88 228.26,176.71 228.26,175.59 228.02,175.35 227.14,175.35 224.35,172.56 D13#5.6 225.25,170.45 225.51,170.19 225.51,160.14 224.54,159.17 224.54,157.89 224.78,157.66 U8#4.5 ; U8#9.5 54.78,60.66 54.54,60.89 54.54,62.17 55.51,63.14 55.51,73.19 55.25,73.45 D13#7.6 54.35,75.56 57.14,78.35 58.02,78.35 58.26,78.59 58.26,79.71 58.08,79.88 C16#8.1 ; C16#7.1 228.08,79.88 228.26,79.71 228.26,78.59 228.02,78.35 227.14,78.35 224.35,75.56 D13#8.6 225.25,73.45 225.51,73.19 225.51,63.14 224.54,62.17 224.54,60.89 224.78,60.66 U8#7.5 ; U8#8.5 139.78,60.66 139.54,60.89 139.54,62.17 140.51,63.14 140.51,73.19 140.25,73.45 D13#9.6 139.35,75.56 142.14,78.35 143.02,78.35 143.26,78.59 143.26,79.71 143.08,79.88 143.08,80.2 ; C16.1 58.08,273.88 58.26,273.71 58.26,272.59 58.02,272.35 57.14,272.35 54.35,269.56 D13.6 55.25,267.45 55.51,267.19 55.51,257.14 54.54,256.17 54.54,254.89 54.78,254.66 U8.5